# Altium PCB HLK-LD-KIT-V2.0.PcbDoc
Units mm, origin at the board's own origin, x right, y up, seen from the top; angles counter-clockwise.
Board outline 40.5 x 27.7 mm, 2 copper layers (Top Layer, Bottom Layer); 31 components, 15 nets, 118 pads, 48 vias.
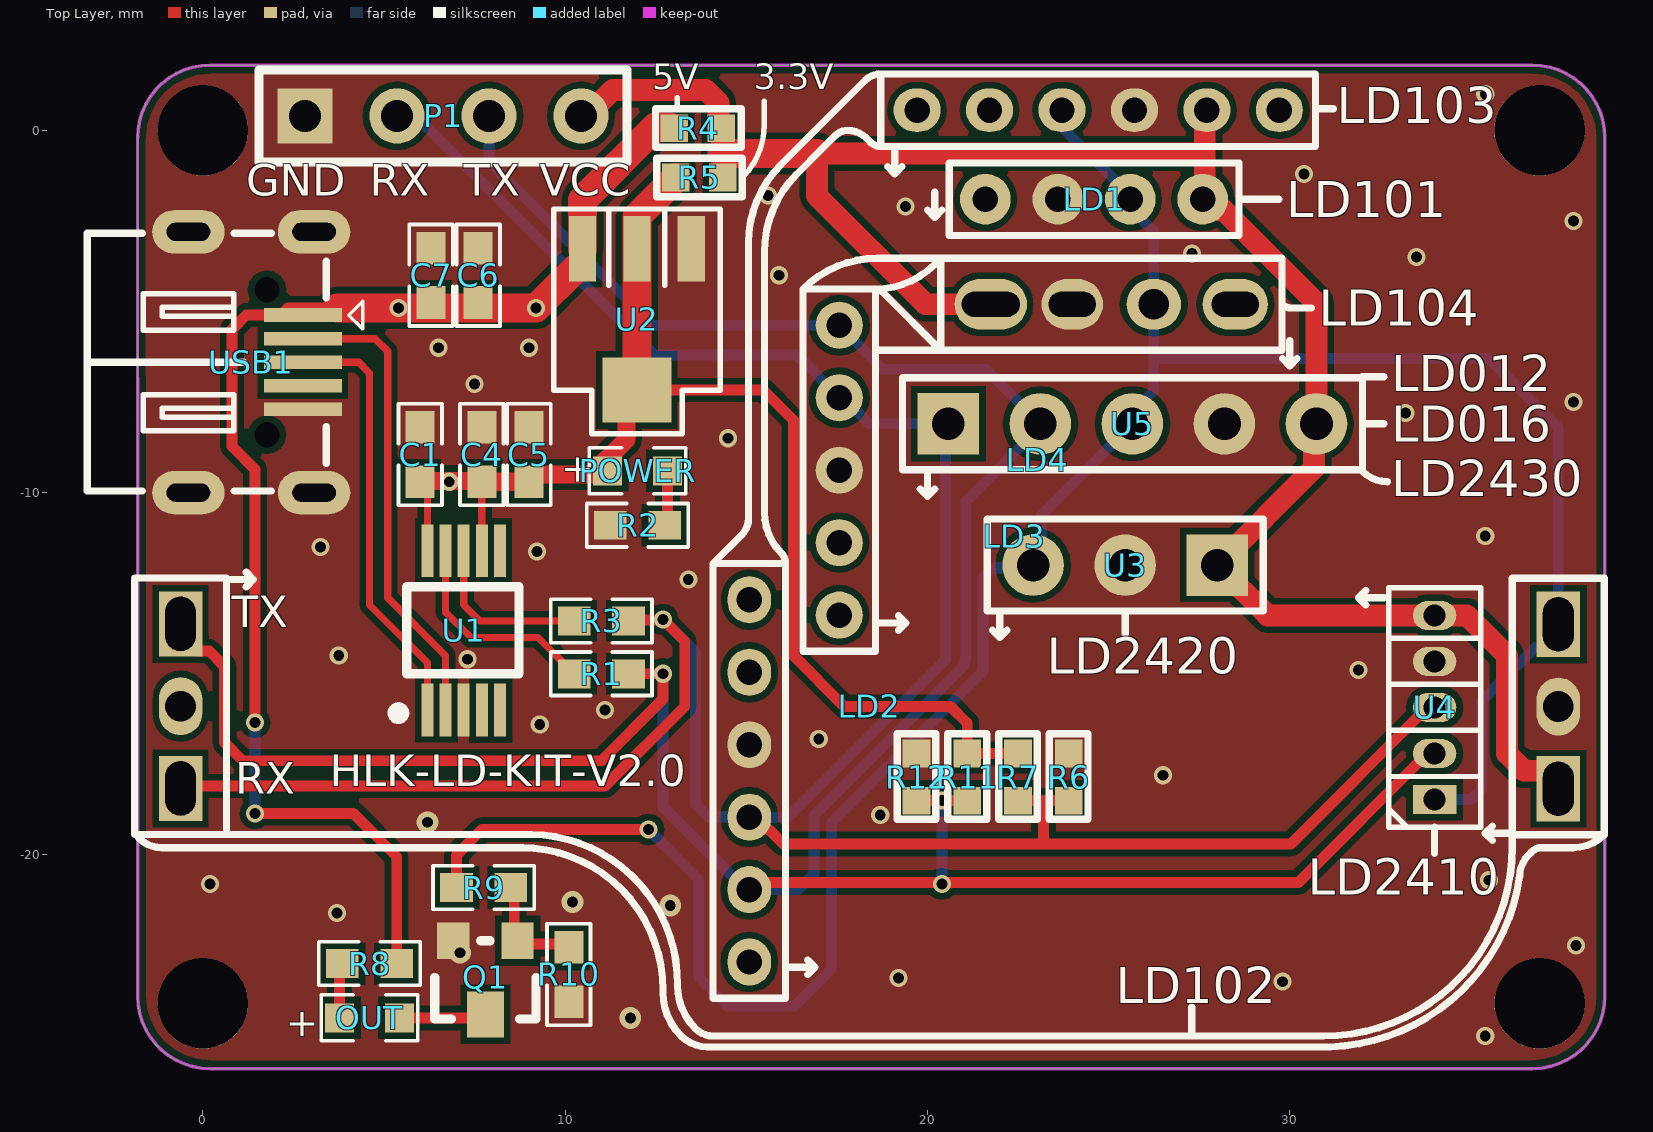
[diagram p0: Top Layer view]
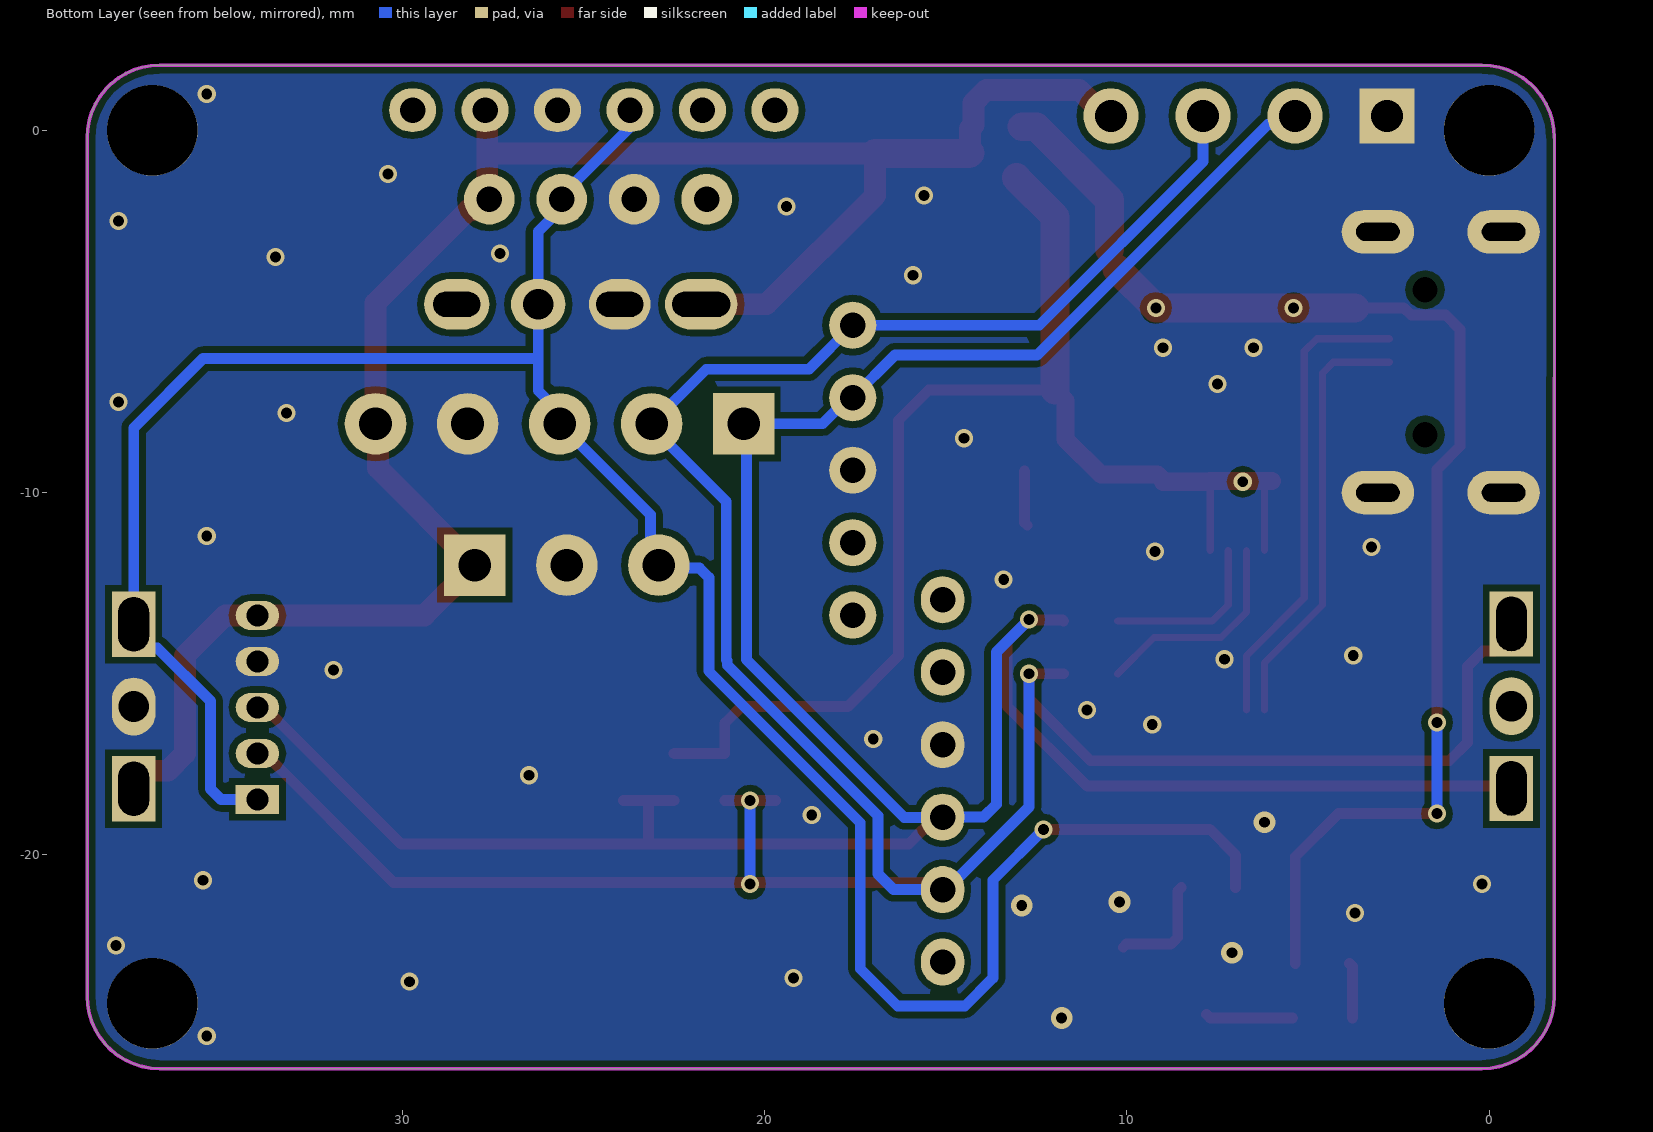
[diagram p1: Bottom Layer view, seen from below]

## Layer stack, top to bottom
Top Solder: solder mask 0.0102, Solder Resist, Dk 3.5
Top Layer: signal copper 0.0356
Dielectric1: dielectric 0.32, FR-4, Dk 4.8
Bottom Layer: signal copper 0.0356
Bottom Solder: solder mask 0.0102, Solder Resist, Dk 3.5

## Board outline
-1.8,-23.9 -1.8,-0.2 cw(c0.2,-0.2) 0.2,1.8 36.7,1.8 cw(c36.7,-0.2) 38.7,-0.2 38.7,-23.9 cw(c36.7,-23.9) 36.7,-25.9 0.2,-25.9 cw(c0.2,-23.9)

## Design rules (kind name [scope] priority, off if disabled: settings)
Clearance [All] p1: gap=0.18 ignorepadtopadclearanceinfootprint=FALSE except(0: Arc-Hole Track-Hole SMDPad-Hole THPad-Hole Via-Hole Fill-Hole Poly-Hole Region-Hole Text-Hole)
FabricationTestPointUsage TestPointUsage [All] p1: valid=0 allowmultiple=FALSE
FabricationTestpoint Testpoint [(IsPad And (OnTopLayer Or OnBottomLayer))] p1: side=3 testpointundercomponent=TRUE minsize=1.016 maxsize=2.54 preferedsize=1.524 minholesize=0 maxholesize=1.016 preferedholesize=0.813 testpointgrid=0.025 allowsidetop=TRUE allowsidebottom=TRUE usegrid=TRUE gridtolerance=0
PolygonConnect [All] p1: connectstyle=Direct reliefconductorwidth=0.254 reliefentries=4 polygonreliefangle="90 Angle" airgapwidth=0.254
RoutingVias [All] p1: holewidth=0.3 width=0.5 viastyle="Through Hole" minholewidth=0.3 minwidth=0.5 maxholewidth=0.711 maxwidth=1.27
SilkToSolderMaskClearance SilkscreenOverComponentPads [IsPad] p1: minsilkscreentomaskgap=0.254 clearancetoexposedcopper=TRUE
SolderMaskExpansion [All] p1: expansion=0.102 istentingtop=FALSE
Width 5V [InNet('5V')] p1: maxlimit=2 minlimit=0.3 preferedwidth=0.3
Width [All] p2: maxlimit=2 minlimit=0.2 preferedwidth=0.3
27 further rules are at their usual default settings.

## Components (designator, comment, footprint, x,y, rotation, side; value= is the part's Value field where it differs from the comment)
C1 "0.1uF" 0603 6,-8.95 r270 top
C4 "10uF" 0603 7.7,-8.95 r270 top value=100pF
C5 "0.1uF" 0603 9,-8.95 r270 top value=100pF
C6 "10uF" 0603 7.6,-4 r90 top value=100pF
C7 "0.1uF" 0603 6.3,-4 r90 top value=100pF
LD1 "HLK-LD101" LD101 14.6,-11.9 r0 top locked
LD2 "HLK-LD102" LD102 18.4,-15.9 r180 top locked
LD3 "HLK-LD103" LD103 22.4,-11.2 r90 top locked
LD4 "HLK-LD104" LD104 23.033,-9.09 r0 top locked
OUT "" 0603LED 4.6,-24.5 r0 top
P1 "2.54*4单排插针" SIP_4P_2.54 2.82,0.4 r0 top
POWER "LED" 0603LED 12,-9.4 r0 top
Q1 "3904" SOT-23 8.689,-22.368 r180 top
R1 "1K" 0603 11,-15 r180 top
R2 "1K" 0603 12,-10.9 r180 top
R3 "1K" 0603 11,-13.541 r180 top
R4 "0R" R0603 13.664,0.063 r180 top
R5 "NC/0R" R0603 13.7,-1.3 r180 top
R6 "0R" R0603 23.9,-17.85 r270 top
R7 "0R" R0603 22.5,-17.85 r270 top
R8 "1K" 0603 4.6,-23 r180 top
R9 "4.7K" 0603 7.75,-20.9 r180 top
R10 "47K" 0603 10.1,-23.3 r90 top
R11 "0R" R0603 21.1,-17.85 r270 top
R12 "0R" R0603 19.7,-17.85 r270 top
U1 "CH340E" MSOP-10 7.2,-13.8 r0 top
U2 "AMS1117" 1117 13.5,-3.2 r180 top
U3 "HLK-LD2420" HLK-LD2420 25.46,-12 r0 top
U4 "HLK-LD2410" HLK-LD2410 16.494,-15.6 r0 top locked
U5 "HLK-LD2430" HLK-LD2430 25.66,-8.1 r0 top locked
USB1 "micro usb" USB-MICRO_D -0.4,-6.4 r270 top

## Footprints (in the part's own frame and the unit in brackets; to place one, negate y for a bottom-side part, rotate by r counter-clockwise, add the part's x,y. Pads: shape width x height; smd on the part's side, far side on the other; paste and mask are expansions set on the pad)
0603 [mm]
  rect 0.9x0.8 smd: 1(-0.75,0) 2(0.75,0)
  silkscreen extent -1.4,-0.6 1.4,0.6
0603LED [mm]
  rect 0.8x0.8 smd: 1(-0.826,0) 2(0.826,0)
  silkscreen extent -1.33,-0.64 1.33,0.64
1117 [mm]
  rect 1.9x1.8 smd: 0(1.52,3.97)
  rect 0.75x1.8 smd: 1(0.02,0.07) 2(1.52,0.07) 3(3.02,0.07)
  silkscreen extent -0.78,-1.03 3.82,5.17, body extent -0.73,0.14 3.77,4.14, height 1.5
HLK-LD2410 [mm] "海凌科24G雷达模块"
  rect 1.2x0.8 hole 0.6: 1(17.506,-2.87)
  oval 1.2x0.8 hole 0.6: 2(17.506,-1.6) 3(17.506,-0.33) 4(17.506,0.94) 5(17.506,2.21)
  silkscreen extent 16.24,-3.63 18.78,2.97
HLK-LD2420 [mm] "海凌科24G雷达模块"
  rect 1.7x1.7 hole 0.9: 1(2.54,0)
  round 1.7 hole 0.9: 2(0,0) 3(-2.54,0)
  silkscreen extent -3.81,-1.27 3.81,1.27
HLK-LD2430 [mm] "海凌科24G雷达模块"
  rect 1.7x1.7 hole 0.9: 1(-5.08,0)
  round 1.7 hole 0.9: 2(-2.54,0) 3(0,0) 4(2.54,0) 5(5.08,0)
  silkscreen extent -6.35,-1.27 6.35,1.27
LD101 [mm]
  round 1.4 hole 0.7: 1(13,10) 2(11,10) 3(9,10) 4(7,10)
LD102 [mm]
  rect 1.2x1.8 hole 0.85 slot 1.5 at 90 deg: 1(-19.015,2.275) 3(-19.015,-2.265) 4(19.015,-2.275) 6(19.015,2.265)
  oval 1.2x1.6 hole 0.85: 2(-19.015,0.005) 5(19.015,-0.005)
LD103 [mm]
  oval 1.2x1.3 hole 0.7: 1(11.758,-7.316) 2(11.758,-5.316) 3(11.758,-3.316) 4(11.758,-1.316) 5(11.758,0.684) 6(11.758,2.684)
  oval 1.3x1.2 hole 0.7: 7(-1.758,7.316) 8(-3.758,7.316) 9(-5.758,7.316) 10(-7.758,7.316) 11(-9.758,7.316) 12(-11.758,7.316)
LD104 [mm]
  oval 1.8x1.397 hole 0.7 slot 1.3 at 0 deg: 1(5.467,4.29)
  oval 1.5x1.397 hole 0.85: 2(3.217,4.29)
  oval 1.7x1.397 hole 0.7 slot 1.3 at 0 deg: 3(0.967,4.29)
  oval 2x1.397 hole 0.7 slot 1.6 at 0 deg: 4(-1.283,4.29)
  round 1.3 hole 0.7: 5(-5.467,3.71) 6(-5.467,1.71) 7(-5.467,-0.29) 8(-5.467,-2.29) 9(-5.467,-4.29)
MSOP-10 [mm]
  rect 0.33x1.45 smd: 1(-1,-2.2) 2(-0.5,-2.2) 3(0,-2.2) 4(0.5,-2.2) 5(1,-2.2) 6(1,2.2) 7(0.5,2.2) 8(0,2.2) 9(-0.5,2.2) 10(-1,2.2)
  silkscreen extent -1.95,-2.44 1.53,1.2
R0603 [mil] "1/10W贴片电阻"
  rect 30x30 smd mask+2: 1(-25.59,0) 2(25.59,0)
  silkscreen extent -47,-21 46,21, body extent -31,-16 32,16, height 16
SIP_4P_2.54 [mil]
  rect 60x60 / inner round 60 / far side rect 60x60 hole 35: 1(0,0)
  round 60 hole 35: 2(100,0) 3(200,0) 4(300,0)
  silkscreen extent -50,-50 350,50
SOT-23 [mil]
  rect 35x40 smd: 1(0,0) 2(70,0)
  rect 40x50 smd: 3(35,80)
  silkscreen extent -20,0 90,85
USB-MICRO_D [mm] "micro型USB ，6.7*7.5*2.5mm"
  round 0 hole 0.7 unplated: 0(-2,2.17) 0(2,2.17)
  rect 0.381x2.15 smd: 1(-1.3,3.16) 2(-0.65,3.16) 3(0,3.16) 4(0.65,3.16) 5(1.3,3.16)
  oval 1.2x2 hole 0.5 slot 1.2 at 90 deg: 6(3.6,3.47) 7(3.6,0) 8(-3.6,0) 9(-3.6,3.47)
  silkscreen extent -3.56,-2.79 3.56,4.81

## Part data
C1: library part CAP, "Capacitor"
C4 C5 C6 C7: library part Cap, "Capacitor", LatestRevisionDate=17-Jul-2002, LatestRevisionNote="Re-released for DXP Platform.", PackageReference=RAD-0.3, Published=8-Jun-2000, Publisher="Altium Limited"
LD1: library part LD101
LD2 LD3 LD4: library part HLK-LD015-5G
OUT: library part LED
P1: library part 2.54*2插针
Q1: library part A09T, "NPN General Purpose Amplifier", PackageDocument=Sep-1998, Code_JEDEC=TO-92A, ComponentLink1Description="Manufacturer Link", ComponentLink1URL=http://www.fairchildsemi.com/, ComponentLink2Description=Datasheet, ComponentLink2URL=http://www.fairchildsemi.com/ds/2N%2F2N3904.pdf, DatasheetDocument=1997, LatestRevisionDate=15-Jan-2003, LatestRevisionNote="PCB Footprint 'BCY-W3/D4.7' replaced", PackageReference=TO-92A, Published=8-Jun-2000, Publisher="Altium Limited"
R1 R2 R3 R8 R9 R10: library part Res1, "Resistor", LatestRevisionDate=17-Jul-2002, LatestRevisionNote="Re-released for DXP Platform.", PackageReference=AXIAL-0.3, Published=8-Jun-2000, Publisher="Altium Limited"
R4 R5 R6 R7 R11 R12: library part R
U2: library part Component_1
U3 U4 U5: "生命存在24G雷达"
USB1: library part USB-D

## Free pads (board coordinates)
  round 2.5 hole 2.5: 0(0,-24.1) 0(36.9,0) 2(0,0) 2(36.9,-24.1)

## Via types
v1: diameter 0.5, hole 0.3, Top Layer to Bottom Layer, tented both sides, 43 vias
v2: diameter 0.6, hole 0.3, Top Layer to Bottom Layer, tented both sides, 5 vias

## Nets (pads, with @x,y where several pads share a name; then routed paths per layer and width w, separated by ;. In a path a pad name is that pad's centre, name@x,y a point inside that pad or via, vN(x,y) a via of type N, cw(c..) or ccw(c..) an arc to the next point about the centre after c; other vN are vias at no path point)
5V: C6.1 C7.1 R4.2 R8.1 U2.3 USB1.1 | length 35.8
  Top Layer w0.3: v1(1.44,-18.86) 4.16,-18.86 5.35,-20.05 R8.1 ; v1(1.44,-16.347) 1.44,-9.359 0.8,-8.719 0.8,-5.497 1.197,-5.1 2.15,-5.1 2.35,-4.9 3.7,-4.9
  Top Layer w0.8: 3.7,-4.9 v1(5.4,-4.9) v1(9.2,-4.9) U2.3@10.275,-3.825 ; U2.3 10.48,-1.92 12.5,0.1 R4.2@12.9,0.1
  Bottom Layer w0.3: v1(1.44,-18.86) v1(1.44,-16.347)
DM: U1.2 USB1.2 | length 13
  Top Layer w0.2: USB1.2 4.75,-5.75 5.1,-6.1 5.1,-12.9 6.7,-14.5 U1.2
DP: U1.1 USB1.3 | length 11.9
  Top Layer w0.203: USB1.3 4.3,-6.4 4.6,-6.7 4.6,-13.1 6.2,-14.7 U1.1
GND: C1.1 C4.1 C5.1 C6.2 C7.2 LD1.3 LD2.2 LD3.3 LD3.9 LD4.3 LD4.7 P1.1 pad.0 pad.2 Q1.2 R2.2 R6.1 R10.1 R12.1 U1.3 U2.1 U3.2 U4.4 U5.4 USB1.5 USB1.6 USB1.7 USB1.8 USB1.9
  other v1: 35.4,-25 29.8,-23.5 19.2,-23.4 37.9,-22.5 3.7,-21.6 0.2,-20.8 35.5,-20.7 18.7,-18.9 26.5,-17.8 17,-16.8 9.3,-16.4 11.1,-16 31.9,-14.9 7.3,-14.6 3.75,-14.5 13.4,-12.4 9.222,-11.627 3.25,-11.5 35.4,-11.2 14.5,-8.5 33.2,-7.8 37.84,-7.5 7.5,-7 6.5,-6 9,-6 15.9,-4 33.5,-3.5 27.3,-3.4 37.84,-2.5 19.4,-2.1 15.6,-1.8 30.4,-1.2 35.4,1
  other v2: 11.8,-24.5 7.1,-22.7 12.9,-21.4 10.2,-21.3 6.2,-19.1
NetOUT_1: OUT.1 R8.2 | length 1.5
  Top Layer w0.3: OUT.1 3.775,-23.075 R8.2
NetOUT_2: OUT.2 Q1.3 | length 2.4
  Top Layer w0.3: OUT.2 7.7,-24.5 Q1.3
NetPOWER_2: POWER.2 R2.1 | length 1.5
  Top Layer w0.3: R2.1 12.825,-10.825 POWER.2
NetQ1_1: Q1.1 R9.1 R10.2 | length 3
  Top Layer w0.3: R9.1 8.595,-20.994 8.595,-22.274 Q1.1 8.78,-22.459 10.009,-22.459 R10.2
OUT: LD1.2 LD2.3 LD3.4 LD4.2 R9.2 U3.3 U4.1 U5.3 | length 69.2
  Top Layer w0.3: R9.2 7,-20 7.7,-19.3 v1(12.3,-19.3)
  Bottom Layer w0.3: v1(12.3,-19.3) 13.7,-20.7 13.7,-23.4 14.476,-24.176 16.324,-24.176 17.358,-23.142 17.358,-19.113 21.512,-14.959 21.512,-14.945 21.539,-14.918 21.539,-12.341 21.796,-12.085 22.835,-12.085 23.15,-11.77 23.15,-10.61 U5.3 25.66,-7.775 26.25,-7.185 26.25,-6.3 ; LD3.4@23.7,0.742 23.7,0.1 25.6,-1.8 LD1.2 25.6,-2.144 26.25,-2.794 LD4.2 26.25,-6.3 ; U4.1 35.007,-18.47 35.3,-18.177 35.3,-15.75 36.765,-14.285 37.065,-14.285 37.415,-13.935 LD2.3 37.415,-8.215 35.5,-6.3 26.25,-6.3
RX: LD2.6 LD3.10 LD4.6 P1.2 R3.1 R6.2 R7.2 U4.3 U5.1 | length 81.6
  Top Layer w0.3: LD2.6 -0.55,-18.1 11.1,-18.1 13.3,-15.9 13.3,-14.1 v1(12.7,-13.5) 12.679,-13.521 11.771,-13.521 R3.1 ; LD3.10@15.084,-18.764 15.645,-19.325 15.652,-19.325 16.023,-19.696 23.2,-19.696 ; R7.2 23.2,-18.5 ; R6.2 23.2,-18.5 ; U4.3 33.8,-15.93 30.034,-19.696 23.2,-19.696 ; 23.2,-19.696 23.2,-18.5
  Bottom Layer w0.3: P1.2 5.594,0.166 6.11,0.166 12.476,-6.2 16.4,-6.2 17.566,-7.366 LD4.6 17.682,-7.38 18.402,-8.1 U5.1 20.504,-8.176 20.504,-14.609 16.144,-18.97 15.096,-18.97 LD3.10 13.958,-18.958 13.6,-18.6 13.6,-14.4 v1(12.7,-13.5)
RX0_CH340: R1.2 U1.9 | length 6
  Top Layer w0.2: U1.9 6.7,-12.4 6.7,-13.3 7.4,-14 9.25,-14 R1.2
TX: LD2.4 LD3.11 LD4.5 P1.3 R1.1 R11.2 R12.2 U4.2 U5.2 | length 86.1
  Top Layer w0.3: LD2.4 -0.615,-13.925 -0.165,-14.375 0.175,-14.375 0.6,-14.8 0.6,-16.9 1.1,-17.4 11,-17.4 12.7,-15.7 v1(12.7,-15) R1.1 ; LD3.11@15.084,-20.758 20.4,-20.758 30.242,-20.758 33.8,-17.2 U4.2 ; R12.2 v1(20.4,-18.5) R11.2
  Bottom Layer w0.3: P1.3@7.9,0.3 7.9,-0.863 12.417,-5.38 LD4.5 18.778,-6.592 21.612,-6.592 U5.2 23.12,-8.18 21.059,-10.241 21.059,-14.612 21.032,-14.639 21.032,-14.76 16.873,-18.919 16.873,-20.527 16.442,-20.958 LD3.11 14.981,-20.958 12.7,-18.677 v1(12.7,-15) ; v1(20.4,-20.8) v1(20.4,-18.5)
TX0_CH340: R3.2 U1.8 | length 4.7
  Top Layer w0.2: U1.8 7.2,-13.1 7.641,-13.541 R3.2
V3.3: C1.2 C4.2 C5.2 POWER.1 R5.2 R7.1 R11.1 U1.7 U1.10 U2.0 U2.2 | length 36.8
  Top Layer w0.2: C1.2 6.2,-9.9 U1.10 ; U1.7 C4.2@7.7,-9.8
  Top Layer w0.3: C4.2 C4.2@7.75,-9.75 ; U2.0 15.47,-7.17 16.3,-8 16.3,-14.5 17.7,-15.9 20.636,-15.9 21.1,-16.364 R11.1 R7.1
  Top Layer w0.5: C1.2@6,-9.674 7.7,-9.674 7.726,-9.7 C5.2 9,-9.65 9.15,-9.5 10.719,-9.5 11.692,-8.527 11.692,-7.458 U2.0
  Top Layer w0.8: U2.0 U2.2 11.98,-2.385 13.05,-1.315 R5.2
  other v1: 6.8,-9.7
VCC: LD1.1 LD2.1 LD3.2 LD4.4 P1.4 R4.1 R5.1 U3.1 U4.5 U5.5 | length 55.2
  Top Layer w0.6: P1.4@10.5,0.4 10.6,0.4 11.318,1.118 13.882,1.118 14.233,0.766 14.233,0.144 R4.1 14.332,0.045 14.332,-0.618 ; LD4.4 19.95,-4.8 16.95,-1.8 16.95,-0.639 27.658,-0.639 ; LD3.2@27.658,0.7 27.658,-0.639 ; LD2.1 37.415,-17.875 37.215,-17.675 36.469,-17.675 36,-17.206 36,-14.5 34.89,-13.39 U4.5 29.39,-13.39 U3.1 30.67,-9.33 30.67,-8.17 U5.5 30.74,-4.757 28.183,-2.2 28.062,-2.2 27.762,-1.9 LD1.1 27.658,-1.842 27.658,-0.639
  Top Layer w0.8: 14.332,-0.618 14.353,-0.639 16.95,-0.639
pads on no net: LD1.4 LD2.5 LD3.1 LD3.5 LD3.6 LD3.7 LD3.8 LD3.12 LD4.1 LD4.8 LD4.9 U1.4 U1.5 U1.6 USB1.0 USB1.4

## Polygon pours and split planes (outlines as drawn)
GND on Top Layer "NONET_L02_P-001" (solid, pour order 0): -1.8,-23.9 -1.8,-25.1 -1,-25.9 37.9,-25.9 38.7,-25.1 38.7,-0.2 38.7,1.2 38.1,1.8 -1.2,1.8 -1.8,1.2 -1.8,-0.2
GND on Bottom Layer "NONET_L02_P-001" (solid, pour order 1): -1.8,-23.9 -1.8,-25.1 -1,-25.9 37.9,-25.9 38.7,-25.1 38.7,-0.2 38.7,1.2 38.1,1.8 -1.2,1.8 -1.8,1.2 -1.8,-0.2

## Keep-outs
Keep-Out Layer:
  lines w0.08: -1.8,-6.826 -1.8,-0.2
  lines w0.1: -1.8,-6.826 -1.8,-23.9 ccw(c0.2,-23.9) 0.2,-25.9 36.7,-25.9 ccw(c36.7,-23.9) 38.7,-23.9 38.7,-0.2 ccw(c36.7,-0.2) 36.7,1.8 0.2,1.8 ccw(c0.2,-0.2) -1.8,-0.2

## Silkscreen, mask and mechanical layers (free items; w line width, h text height)
Top Overlay:
  lines w0.15: 13.1,0.6 13.1,0.9 ; 14.894,-1.3 ccw(c13.43,0.163) 15.5,0.163 15.5,0.8
  lines w0.2: -1.885,-12.39 -1.885,-19.435 0.655,-19.435 ; -1.885,-12.355 0.655,-12.355 0.655,-15.895 0.655,-19.435 ; -1.8,-19.435 ccw(c-1.643,-19.435) -1.754,-19.546 ccw(c-1.141,-18.933) -1.141,-19.8 8.83,-19.8 ; 0.7,-12.4 1.4,-12.4 ; 1.2,-12.6 1.4,-12.4 ; 1.2,-12.2 1.4,-12.4 ; 8.8,-19.8 cw(c8.784,-23.716) 12.7,-23.731 ; 12.7,-23.67 12.7,-23.793 ccw(c14.407,-23.793) 13.2,-25 ccw(c13.924,-24.276) 13.924,-25.3 31.13,-25.3 ccw(c30.915,-19.815) 36.349,-20.593 cw(c37.173,-20.593) 36.59,-20.01 36.7,-19.9 cw(c36.941,-20.141) 36.941,-19.8 37.307,-19.8 37.828,-19.8 ccw(c37.828,-18.588) 38.685,-19.445 ; 13.1,-23.47 13.1,-23.593 ; 16.2,-23.1 16.9,-23.1 ; 16.7,-23.3 16.9,-23.1 ; 16.7,-22.9 16.9,-23.1 ; 18.6,-6.1 cw(c18.672,-6.172) 18.672,-6.07 20.371,-6.07 ; 18.7,-13.6 19.4,-13.6 ; 18.9,-1 19.1,-1.2 ; 19.1,-0.5 19.1,-1.2 ; 19.2,-13.8 19.4,-13.6 ; 19.2,-13.4 19.4,-13.6 ; 19.3,-1 19.1,-1.2 ; 19.8,-9.9 20,-10.1 ; 20,-9.4 20,-10.1 ; 20,-2.2 20.2,-2.4 ; 20.2,-9.9 20,-10.1 ; 20.2,-1.7 20.2,-2.4 ; 20.4,-2.2 20.2,-2.4 ; 21.8,-13.8 22,-14 ; 22,-13.3 22,-14 ; 22.2,-13.8 22,-14 ; 25.46,-13.9 25.46,-13.27 ; 27.3,-25 27.3,-24.2 ; 28.6,-1.9 29.7,-1.9 ; 29.79,-4.8 ccw(c30.031,-4.559) 30.031,-4.9 30.6,-4.9 ; 29.8,-6.3 30,-6.5 ; 30,-5.8 30,-6.5 ; 30.2,-6.3 30,-6.5 ; 30.716,0.558 cw(c30.817,0.457) 30.817,0.6 31.2,0.6 ; 32,-6.8 32.6,-6.8 ; 32.017,-9.417 ccw(c32.7,-8.734) 32.7,-9.7 ; 32.1,-13.1 31.9,-12.9 ; 32.1,-12.7 31.9,-12.9 ; 32.6,-12.9 31.9,-12.9 ; 32.6,-8.1 32.01,-8.1 ; 34,-19.962 34,-19.232 ; 35.6,-19.6 35.4,-19.4 ; 35.6,-19.2 35.4,-19.4 ; 36.1,-19.4 35.4,-19.4 ; 36.145,-12.4 36.145,-19.445 ; 36.145,-12.365 38.685,-12.365 38.685,-15.905 38.685,-19.445 ; 0.655,-19.435 9.065,-19.435 cw(c9.004,-23.531) 13.1,-23.593 ; 1.4,-12.4 1.4,-12.4 ; 13.1,-23.593 ccw(c14.807,-23.593) 13.6,-24.8 ccw(c14.083,-24.317) 14.083,-25 30.93,-25 ccw(c30.93,-19.785) 36.145,-19.785 36.145,-19.445 ; 14.084,-11.958 14.873,-11.169 ccw(c14.417,-10.713) 15.062,-10.713 15.062,-6.7 15.062,-3.108 cw(c18.128,-3.108) 15.96,-0.94 18.276,1.376 cw(c18.716,0.936) 18.716,1.558 ; 14.084,-11.958 14.084,-23.958 16.084,-23.958 16.084,-11.958 ; 14.084,-11.958 16.084,-11.958 ; 15.962,-11.662 cw(c17.076,-10.547) 15.5,-10.547 15.5,-3.37 cw(c18.566,-3.37) 16.398,-1.202 17.1,-0.5 17.459,-0.141 cw(c17.8,-0.483) 17.8,0 cw(c17.8,-0.724) 18.312,-0.212 18.419,-0.319 ccw(c18.716,-0.023) 18.716,-0.442 ; 15.962,-11.662 cw(c15.665,-11.958) 16.084,-11.958 ; 15.962,-11.662 15.962,-11.662 ; 16.566,-4.38 cw(c18.618,-6.432) 18.618,-3.53 20.371,-3.53 ; 16.566,-4.38 16.566,-14.38 18.566,-14.38 18.566,-4.38 ; 16.566,-4.38 18.566,-4.38 ; 16.9,-23.1 16.9,-23.1 ; 18.566,-4.38 cw(c18.566,-4.658) 18.762,-4.461 20.371,-6.07 ; 18.566,-4.38 ccw(c18.566,-2.074) 20.196,-3.705 20.371,-3.53 ; 18.716,-0.442 30.716,-0.442 30.716,1.558 18.716,1.558 ; 18.716,-0.442 18.716,1.558 ; 19.1,-1.2 19.1,-1.2 ; 20,-10.1 20,-10.1 ; 20.2,-2.4 20.2,-2.4 ; 20.371,-6.07 20.371,-3.53 ; 20.371,-6.07 25.25,-6.07 29.79,-6.07 29.79,-3.53 26.25,-3.53 20.371,-3.53 ; 22,-14 22,-14 ; 28.6,-0.9 ccw(c28.6,-0.9) 28.6,-0.9 ; 28.6,-0.9 20.6,-0.9 20.6,-2.9 28.6,-2.9 28.6,-0.9 ; 31.9,-12.9 31.9,-12.9 ; 32.01,-8.1 ccw(c32.01,-8.1) 32.01,-8.1 ; 35.4,-19.4 35.4,-19.4 ; 36.145,-19.445 38.685,-19.445
  text "5V" at 12.4,0.9 h1.2
  text "3.3V" at 15.2,0.897 h1.2
  text "LD103" at 31.3,0.2 h1
  text "GND" at 1.2,-2.1 h1.5
  text "RX" at 4.6,-2.1 h1.5
  text "TX" at 7.2,-2.1 h1.5
  text "VCC" at 9.3,-2.1 h1.5
  text "LD101" at 29.9,-2.4 h1
  text "LD104" at 30.8,-5.4 h1
  text "LD012" at 32.8,-7.2 h1
  text "LD016" at 32.8,-8.6 h1
  text "LD2430" at 32.8,-10.1 h1
  text "TX" at 0.8,-14 h1.5
  text "LD2420" at 23.3,-15 h1
  text "HLK-LD-KIT-V2.0" at 3.5,-18.4 h1.5
  text "RX" at 0.9,-18.6 h1.5
  text "LD2410" at 30.5,-21.1 h1
  text "LD102" at 25.2,-24.1 h1
Top Solder:
  rectangle: 5.9,-16.9 8.5,-15.1
  rectangle: 5.9,-12.5 8.5,-10.7

## Text inside footprints (layer, text, board x,y; h text height)
OUT: Top Overlay "+" at 3.2,-25 h0.8
POWER: Top Overlay "+" at 10.8,-9.7 h0.8